# Altium PCB SMAQ_PCB_Design.PcbDoc
Units mm, origin at the board's own origin, x right, y up, seen from the top; angles counter-clockwise.
Board outline 78.27 x 54.88 mm, 2 copper layers (Top Layer, Bottom Layer); 49 components, 32 nets, 190 pads, 51 vias.
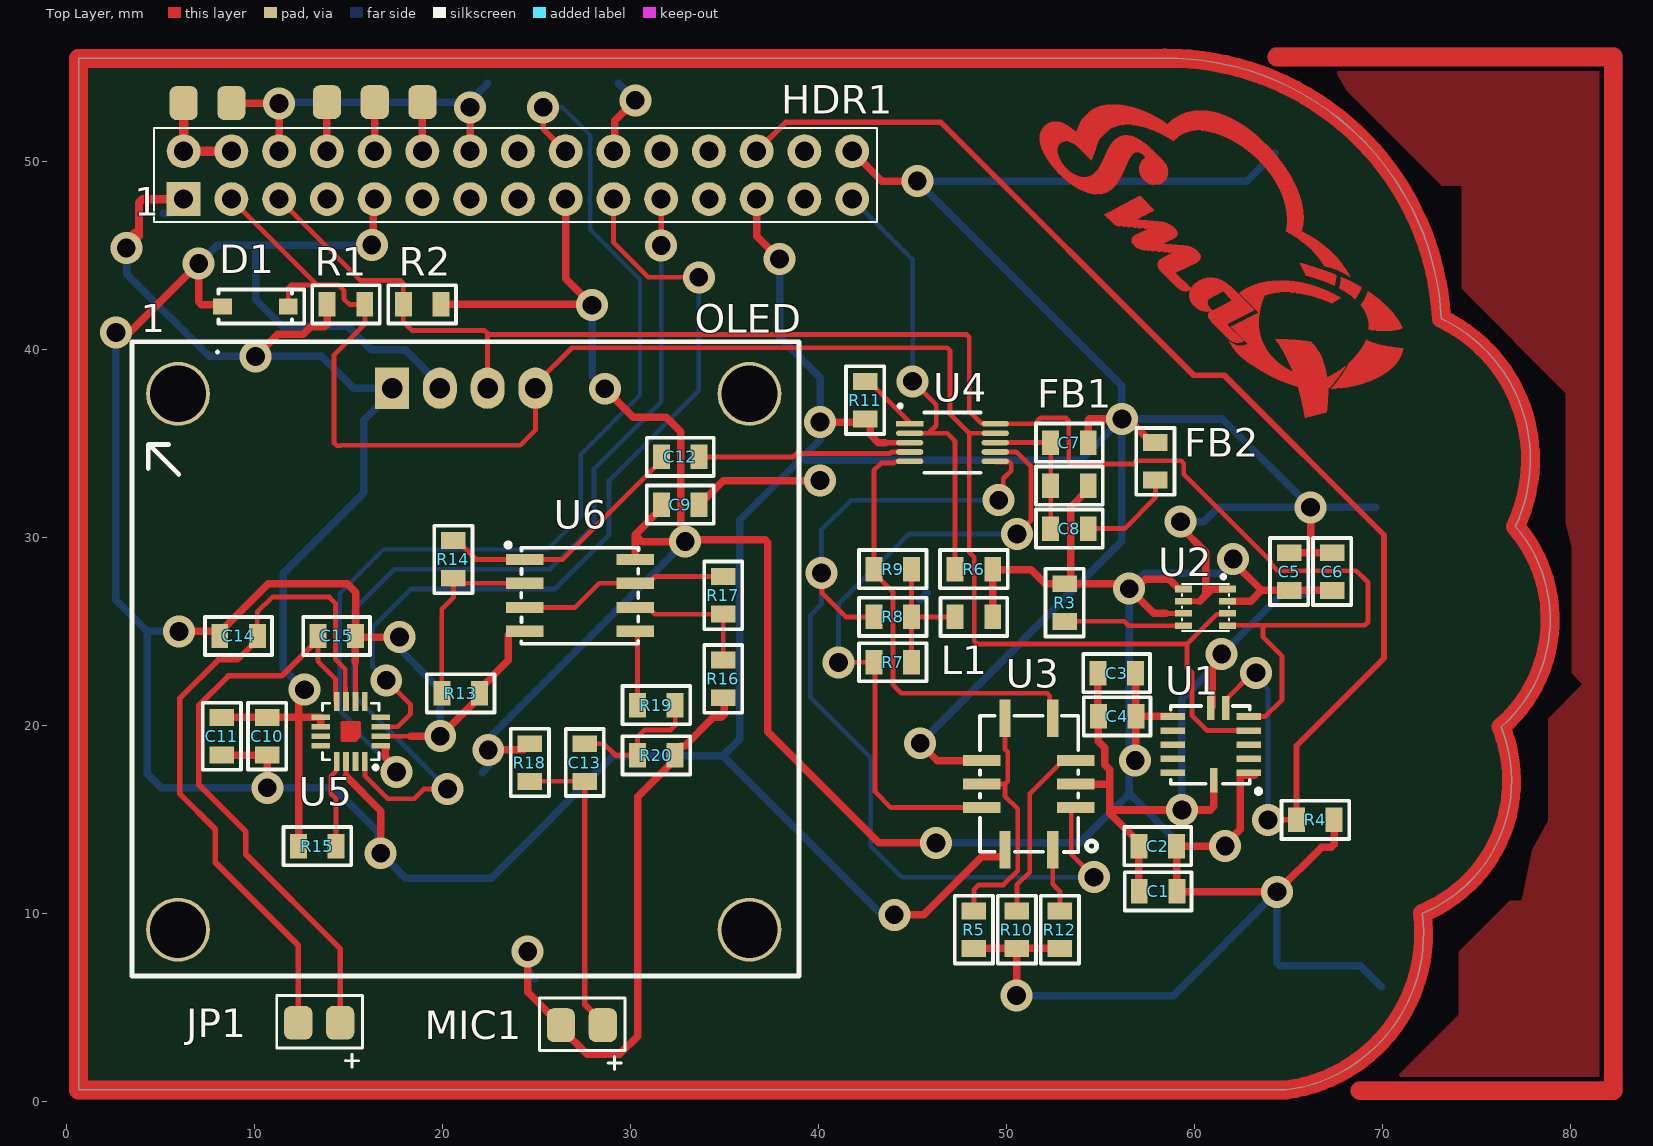
[diagram p0: Top Layer view]
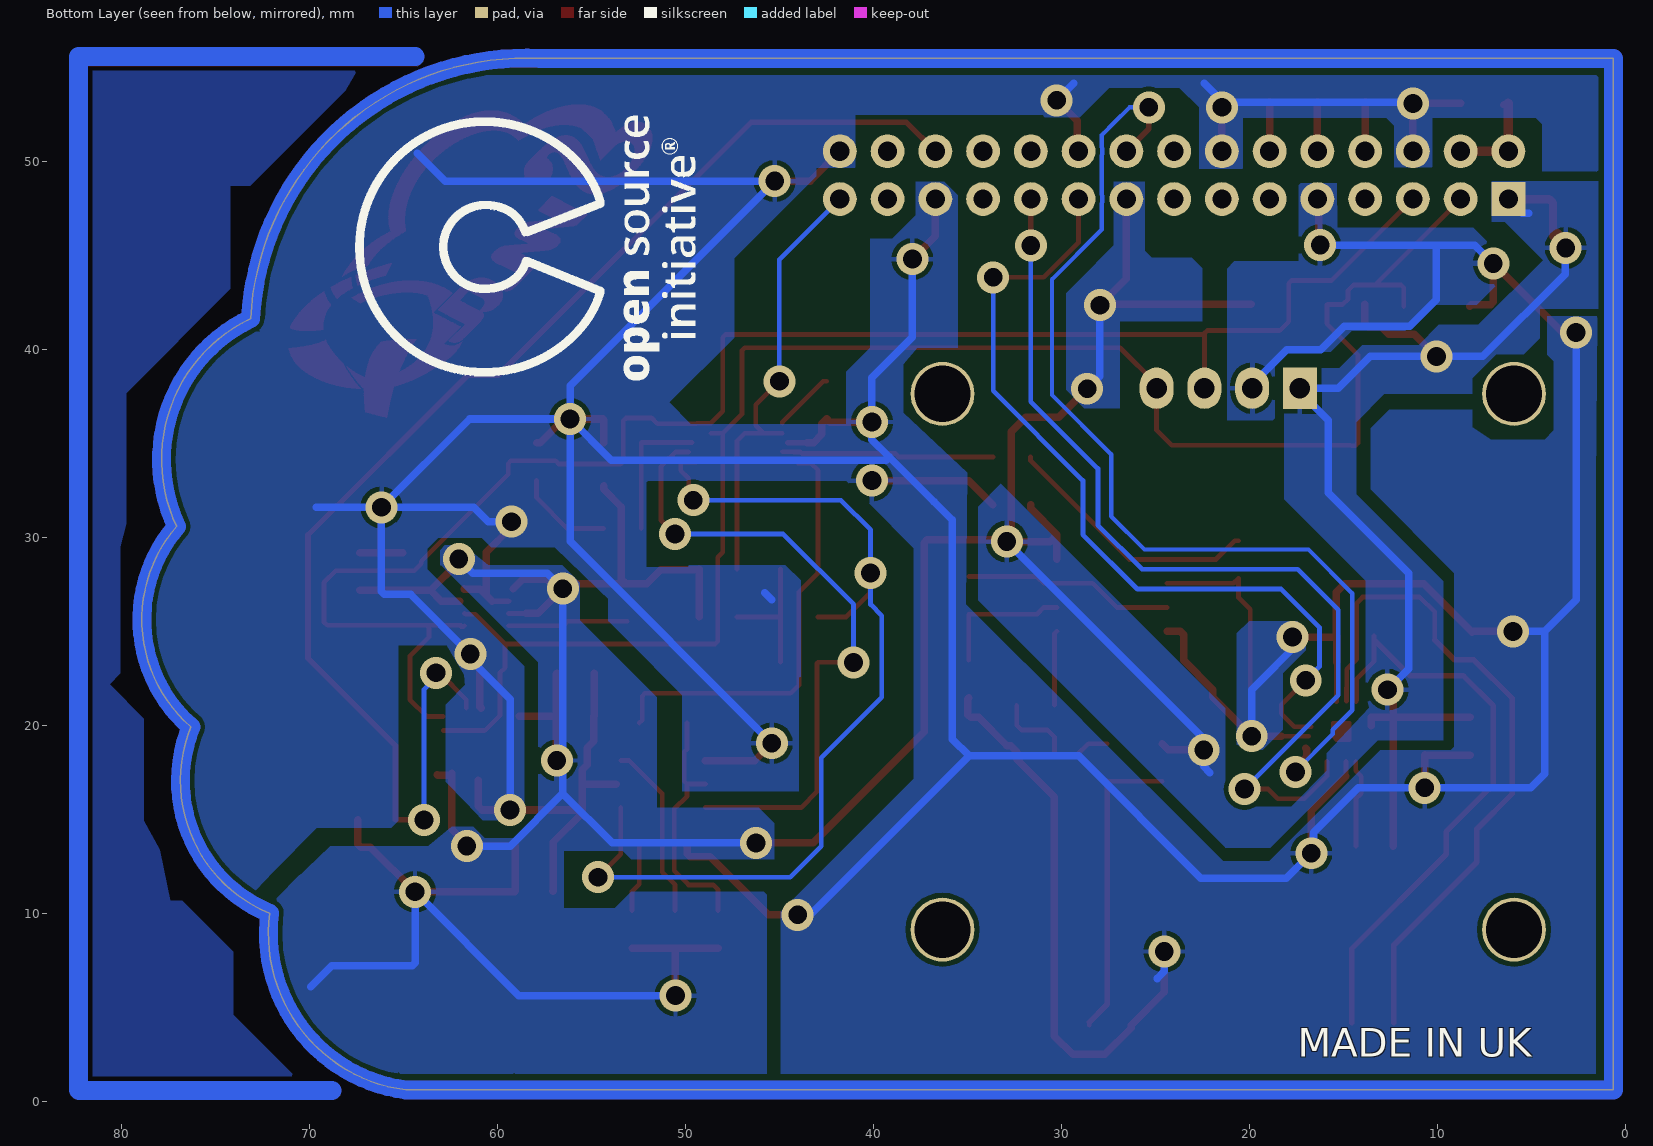
[diagram p1: Bottom Layer view, seen from below]
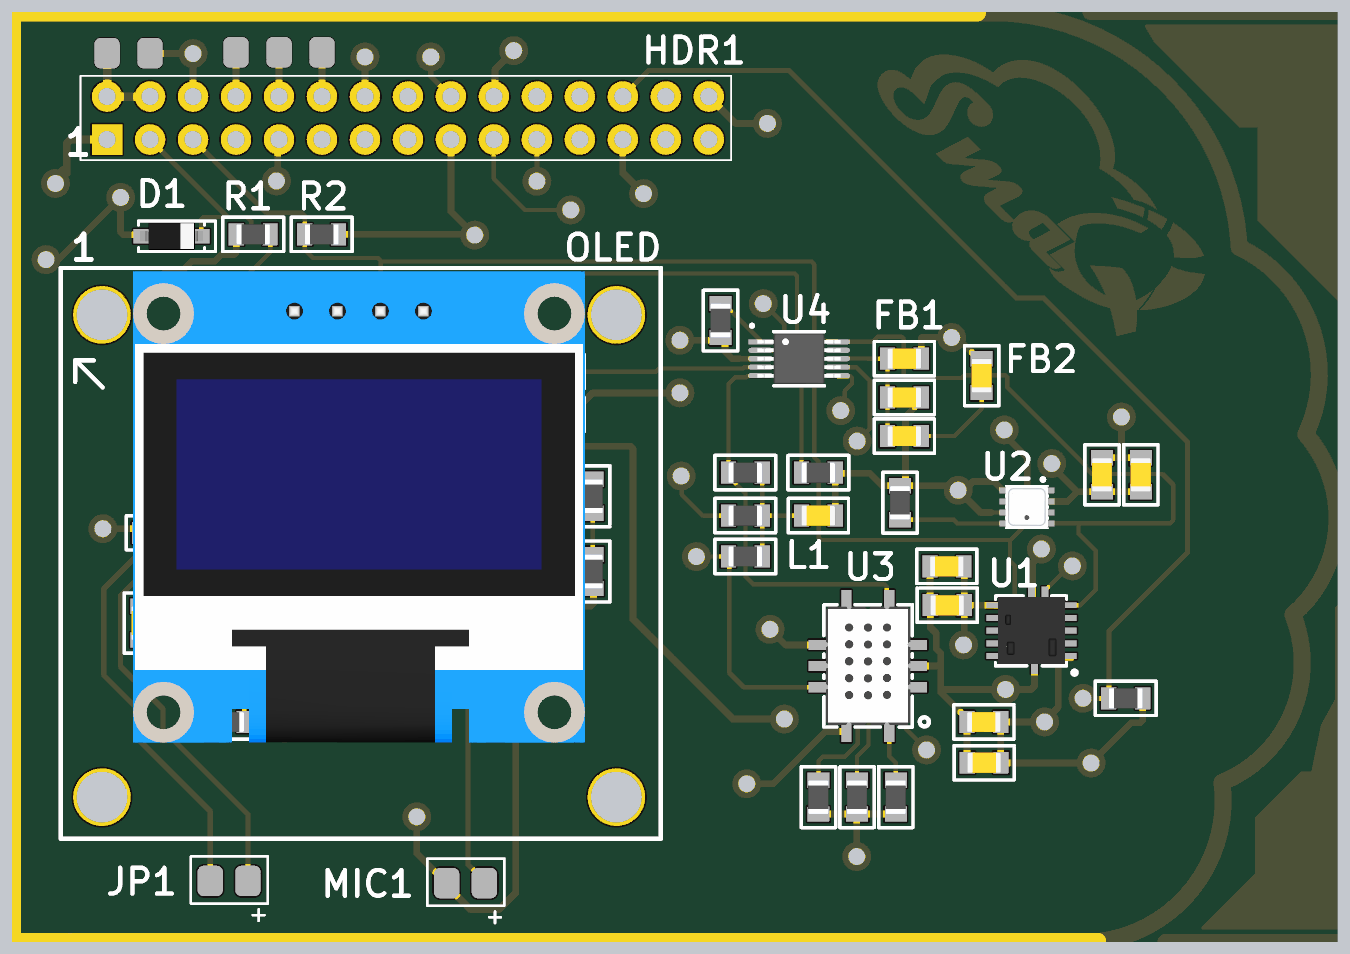
[diagram p2: 3D render of the assembled board from above, using the file's embedded part models]

## Layer stack, top to bottom
Top Solder: solder mask 0.0102, Solder Resist, Dk 3.5
Top Layer: signal copper 0.0356
Dielectric 1: dielectric 0.32, FR-4, Dk 4.8
Bottom Layer: signal copper 0.0356
Bottom Solder: solder mask 0.0102, Solder Resist, Dk 3.5

## Board outline
0.635,0.635 0.635,55.499 57.758,55.499 cw(c58.52,40.894) 73.125,41.656 cw(c69.569,34.163) 77.062,30.607 cw(c71.347,25.654) 76.3,19.939 cw(c69.251,17.081) 72.109,10.033 cw(c63.79,8.954) 64.87,0.635

## Design rules (kind name [scope] priority, off if disabled: settings)
Clearance [All] p1: gap=0.254 ignorepadtopadclearanceinfootprint=FALSE except(0: Arc-Hole Track-Hole SMDPad-Hole THPad-Hole Via-Hole Fill-Hole Poly-Hole Region-Hole Text-Hole; 0.2: Arc-SMDPad Track-SMDPad SMDPad-SMDPad)
PolygonConnect [All] p1: connectstyle=Relief reliefconductorwidth=0.254 reliefentries=4 polygonreliefangle="90 Angle" airgapwidth=0.254
RoutingVias [All] p1: holewidth=0.711 width=1.27 viastyle="Through Hole" minholewidth=0.711 minwidth=1.27 maxholewidth=0.711 maxwidth=1.27
SolderMaskExpansion [All] p1: expansion=0.102 istentingtop=FALSE
Width [All] p1: maxlimit=1 minlimit=0.2 preferedwidth=0.254 minimp=50.000000 maximp=50.000000 favimp=50.000000
30 further rules are at their usual default settings.

## Components (designator, comment, footprint, x,y, rotation, side; value= is the part's Value field where it differs from the comment)
C1 "22uF" C0805 58.055,11.192 r0 top
C2 "0.1uF / 50V" C0805 58.039,13.605 r0 top
C3 "10uF 16V" C0805 55.85,22.8 r0 top
C4 "0.1uF / 50V" C0805 55.875,20.5 r180 top
C5 "0.1uF / 50V" C0805 65.024,28.21 r270 top
C6 "0.1uF / 50V" C0805 67.31,28.21 r270 top
C7 "0.1uF / 50V" C0805 53.34,35.068 r180 top
C8 "1uF / 50V" C0805 53.34,30.496 r180 top
C9 "0.1uF / 50V" C0805 32.639,31.766 r0 top
C10 "0.1uF / 50V" C0805 10.668,19.451 r90 top
C11 "10uF 16V" C0805 8.255,19.447 r90 top
C12 "0.22uF" C0805 32.639,34.306 r0 top
C13 "1uF / 50V" C0805 27.559,18.05 r90 top
C14 "220pF" C0805 9.144,24.781 r0 top
C15 "220pF" C0805 14.363,24.781 r180 top
D1 "3.6V 0.5W" SOD-123 10.033,42.307 r0 top
FB1 "Ferrite Bead 1.5k 500mA" C0805 53.34,32.782 r0 top
FB2 "Ferrite Bead 1.5k 500mA" C0805 57.912,34.068 r90 top
HDR1 "2x20 GPIO F HDR" 2X20_PI_HEADER 30.353,49.292 r90 top
JP1 "Speaker Jumper" "SPEAKER JUMPER" 14.549,4.207 r0 top
L1 "1uH 800mA" C0805 48.26,25.797 r180 top
MIC1 "3.0 Vdc" "SPEAKER JUMPER" 28.519,4.08 r0 top
OLED "I2C OLED Screen" "OLED_I2C_0.96\"" 5.922,37.66 r0 top locked
R1 "2.74k" "R0805 (2012M)" 14.859,42.418 r180 top
R2 "2.74k" "R0805 (2012M)" 18.907,42.418 r0 top
R3 "10k 1%" "R0805 (2012M)" 53.086,26.559 r90 top
R4 "10k 1%" "R0805 (2012M)" 66.421,15.002 r0 top
R5 "536R" "R0805 (2012M)" 48.26,9.16 r90 top
R6 "10k 1%" "R0805 (2012M)" 48.26,28.337 r0 top
R7 "56k" "R0805 (2012M)" 43.942,23.384 r0 top
R8 "56k" "R0805 (2012M)" 43.942,25.797 r0 top
R9 "56k" "R0805 (2012M)" 43.942,28.337 r0 top
R10 "16R9" "R0805 (2012M)" 50.546,9.16 r270 top
R11 "10k 1%" "R0805 (2012M)" 42.475,37.325 r90 top
R12 "84R5" "R0805 (2012M)" 52.832,9.16 r270 top
R13 "1k" "R0805 (2012M)" 20.955,21.733 r180 top
R14 "10k 1%" "R0805 (2012M)" 20.574,28.85 r90 top
R15 "0 Ohm" "R0805 (2012M)" 13.335,13.605 r180 top
R16 "1k" "R0805 (2012M)" 34.925,22.495 r90 top
R17 "10k 1%" "R0805 (2012M)" 34.925,26.94 r270 top
R18 "10k 1%" "R0805 (2012M)" 24.638,18.05 r90 top
R19 "100k" "R0805 (2012M)" 31.369,21.098 r0 top
R20 "100k" "R0805 (2012M)" 31.369,18.431 r180 top
U1 "VCNL-4010" VCNL-4010 60.855,19 r90 top
U2 "BME-280" LGA_8P_0.65MM 60.579,26.305 r0 top
U3 "MICS-6814" MICS-10 51.181,16.907 r0 top
U4 "ADS1115 16Bit" VSSOP-10 47.117,35.068 r0 top
U5 "CLASS D AMP" 16LTHINQFN 15.113,19.701 r0 top
U6 "LM358" SOIC-8 27.305,26.94 r0 top

## Footprints (in the part's own frame and the unit in brackets; to place one, negate y for a bottom-side part, rotate by r counter-clockwise, add the part's x,y. Pads: shape width x height; smd on the part's side, far side on the other; paste and mask are expansions set on the pad)
2X20_PI_HEADER [mm]
  rect 1.8x1.8 hole 1.02: 1(-1.27,24.13)
  round 1.8 hole 1.02: 2(1.27,24.13) 3(-1.27,21.59) 4(1.27,21.59) 5(-1.27,19.05) 6(1.27,19.05) 7(-1.27,16.51) 8(1.27,16.51) 9(-1.27,13.97) 10(1.27,13.97) 11(-1.27,11.43) 12(1.27,11.43) 13(-1.27,8.89) 14(1.27,8.89) 15(-1.27,6.35) 16(1.27,6.35) 17(-1.27,3.81) 18(1.27,3.81) 19(-1.27,1.27) 20(1.27,1.27) 21(-1.27,-1.27) 22(1.27,-1.27) 23(-1.27,-3.81) 24(1.27,-3.81) 25(-1.27,-6.35) 26(1.27,-6.35) 27(-1.27,-8.89) 28(1.27,-8.89) 29(-1.27,-11.43) 30(1.27,-11.43)
  silkscreen extent -2.5,-12.76 2.5,25.7, body extent -2.5,-13.02 2.5,25.38, height 6.55
16LTHINQFN [mm]
  rect 0.3x1 smd mask+0.02: 1(0.75,-1.6) 2(0.25,-1.6) 3(-0.25,-1.6) 4(-0.75,-1.6) 9(-0.75,1.6) 10(-0.25,1.6) 11(0.25,1.6) 12(0.75,1.6)
  rect 1x0.3 smd mask+0.02: 5(-1.6,-0.75) 6(-1.6,-0.25) 7(-1.6,0.25) 8(-1.6,0.75) 13(1.6,0.75) 14(1.6,0.25) 15(1.6,-0.25) 16(1.6,-0.75)
  Top Layer region: -0.38,-0.4 0.37,-0.4 0.37,0.39 -0.38,0.39
  Top Layer lines w0.2: -0.45,-0.45 -0.45,-0.45 ; -0.45,-0.45 -0.45,0.45 0.45,0.45 0.45,-0.25 0.25,-0.45 -0.45,-0.45
  silkscreen extent -1.5,-1.99 1.5,1.5, body extent -1.5,-1.5 1.5,1.5, height 0.81
C0805 [mm]
  rect 0.9x1.3 smd: 1(-1,0) 2(1,0)
  silkscreen extent -1.78,-1.02 1.78,1.02, body extent -1,-0.6 1,0.6, height 0.95
LGA_8P_0.65MM [mm]
  rect 0.9x0.35 smd mask+0.015: 1(1.175,0.975) 2(1.175,0.325) 3(1.175,-0.325) 4(1.175,-0.975) 5(-1.175,-0.975) 6(-1.175,-0.325) 7(-1.175,0.325) 8(-1.175,0.975)
  silkscreen extent -1.25,-1.25 1.25,1.7, body extent -1.25,-1.25 1.25,1.25, height 0.94
MICS-10 [mm]
  rect 2x0.6 smd: 1(2.5,-1.25) 2(2.5,0) 3(2.5,1.25) 6(-2.5,1.25) 7(-2.5,0) 8(-2.5,-1.25)
  rect 0.6x2 smd: 4(1.27,3.5) 5(-1.27,3.5) 9(-1.27,-3.5) 10(1.27,-3.5)
  silkscreen extent -2.6,-3.61 3.61,3.63, body extent -2.49,-3.48 2.51,3.52, height 1.6
"OLED_I2C_0.96\"" [mm]
  rect 1.8x2.2 hole 1.1: 1(11.39,0.3)
  oval 1.8x2.2 hole 1.1: 2(13.93,0.3) 3(16.47,0.3) 4(19.01,0.3)
  round 3.4 hole 3 unplated: 5(0,-28.5) 5(0,0) 5(30.4,-28.5) 5(30.4,0)
  silkscreen extent -2.44,-30.96 33.03,2.77, body extent 1.84,-25.28 28.54,2.58, height 10.02
"R0805 (2012M)" [mm]
  rect 0.9x1.3 smd: 1(-1,0) 2(1,0)
  silkscreen extent -1.8,-1.02 1.8,1.02, body extent -1,-0.6 1,0.6, height 0.71
SOD-123 [mm]
  rect 1x0.85 smd: 1(-1.75,0) 2(1.75,0)
  silkscreen extent -1.95,-0.9 2.6,0.9, body extent -1.85,-0.8 1.85,0.8, height 1.28
SOIC-8 [mm]
  rect 2x0.6 smd mask+0.07: 1(-2.93,1.91) 2(-2.93,0.64) 3(-2.93,-0.64) 4(-2.93,-1.91) 5(2.93,-1.91) 6(2.93,-0.64) 7(2.93,0.64) 8(2.93,1.91)
  silkscreen extent -3.93,-2.57 3.11,2.79, body extent -3,-2.45 3,2.45, height 1.7
"SPEAKER JUMPER" [mm]
  rrect50% 1.5x1.8 smd: 1(0,0) 2(-2.23,0)
  silkscreen extent -3.37,-2.37 1.18,1.45
VCNL-4010 [mm]
  rect 0.35x1.3 smd: 1(-1.5,-2.02) 2(-0.75,-2.02) 4(0.75,-2.02) 5(1.5,-2.02) 7(1.5,2.02) 8(0,-2.02) 8(0.75,2.02) 9(0,2.02) 10(-0.75,2.02) 11(-1.5,2.02)
  rect 1.3x0.4 smd: 6(1.95,-0.8) 12(1.95,0) 13(-1.9,-0.17)
  silkscreen extent -2.6,-2.66 2.05,2.13, body extent -1.97,-1.97 1.98,1.98, height 0.96
VSSOP-10 [mm]
  rect 1.45x0.3 smd mask+0.02: 1(-2.275,1)
  oval 1.45x0.3 smd mask+0.02: 2(-2.275,0.5) 3(-2.275,0) 4(-2.275,-0.5) 5(-2.275,-1) 6(2.275,-1) 7(2.275,-0.5) 8(2.275,0) 9(2.275,0.5) 10(2.275,1)
  silkscreen extent -2.84,-1.6 1.5,2.01, body extent -2.46,-1.5 2.46,1.5, height 1.1

## Part data
C1: library part C2012JB1A226M085AC, "CAP CER 22UF 10V JB 0805", Case Code (Imperial)=0805, Case Code (Metric)=2012, Dielectric Material=Ceramic, Manufacturer 1=TDK, Max Operating Temperature=85°C, Min Operating Temperature=-25°C, Package Quantity=1, Supplier Part Number 1=810-C2012JB1A226M08C, Tolerance=20%, Voltage Rating=10V, Capacitance=22uF, Case/Package=0805, Category 1="Ceramic Capacitors", ComponentLink1Description=https://datasheet.ciiva.com/14908/tdkmlcccaprange-14908199.pdf?src-supplier=Digi-Key, ComponentLink1URL=https://datasheet.ciiva.com/14908/tdkmlcccaprange-14908199.pdf?src-supplier=Digi-Key, ComponentLink2Description=https://datasheet.ciiva.com/14908/tdkmlcccaprange-14908201.pdf?src-supplier=Digi-Key, ComponentLink2URL=https://datasheet.ciiva.com/14908/tdkmlcccaprange-14908201.pdf?src-supplier=Digi-Key, Composition=Ceramic, Description 1="CAP CER 22UF 10V JB 0805", Height=0.85mm, Lead Free="Lead Free", Length=0.079inch, Manufacturer Part Number 1=C2012JB1A226M085AC, Mount="Surface Mount", Packaging="Tape and Reel", RoHS=Yes, Stock 1=10381, Supplier 1=Mouser, Termination=SMD/SMT, Thickness=0.039inch, Voltage Rating (DC)=10V, Width=1.2mm
C2 C4 C5 C6 C7 C9 C10: library part 08055C104JAT4A, "CAP CER 0.1UF 50V X7R 0805", Capacitance=100nF, Case Code (Imperial)=0805, Case Code (Metric)=2012, Dielectric=X7R, Manufacturer 1="Kyocera AVX", Max Operating Temperature=125°C, Min Operating Temperature=-55°C, Package Quantity=10000, Supplier Part Number 1=581-08055C104JAT4A, Tolerance=5%, Voltage Rating=50V, Case/Package=0805, Category 1="Ceramic Capacitors", ComponentLink1Description=https://datasheet.ciiva.com/16326/cx7r-16326437.pdf?src-supplier=Future+Electronics, ComponentLink1URL=https://datasheet.ciiva.com/16326/cx7r-16326437.pdf?src-supplier=Future+Electronics, ComponentLink2Description=https://datasheet.ciiva.com/6277/cx7r-6277722.pdf?src-supplier=Digi-Key, ComponentLink2URL=https://datasheet.ciiva.com/6277/cx7r-6277722.pdf?src-supplier=Digi-Key, Depth=1.25mm, Description 1="CAP CER 0.1UF 50V X7R 0805", Lead Free="Lead Free", Length=2.01mm, Manufacturer Part Number 1=08055C104JAT4A, Mount="Surface Mount", Number of Pins=2, Packaging="Tape and Reel", Radiation Hardening=No, RoHS=Yes, Stock 1=70357, Supplier 1=Mouser, Termination=SMD/SMT, Thickness=0.037inch, Voltage Rating (DC)=50V, Width=0.049inch
C3 C11: library part 0805YC106MAT2A, Manufacturer 1="Kyocera AVX", Supplier Part Number 1=581-0805YC106MAT2A, Manufacturer Part Number 1=0805YC106MAT2A, RoHS=No, Stock 1=1756, Supplier 1=Mouser
C8 C13: library part 08055C105JAT2A, Dielectric=X7R, Manufacturer 1="Kyocera AVX", Supplier Part Number 1=581-08055C105JAT2A, Tolerance=5%, Voltage=50V, Category 1=Capacitors, Manufacturer Part Number 1=08055C105JAT2A, RoHS=No, Stock 1=5621, Supplier 1=Mouser
C12: library part 08053C224J4Z2A, "Multilayer Ceramic Capacitors MLCC - SMD/SMT 25V 0.22uF X7R 0805 5% AEC-Q200", Manufacturer 1="Kyocera AVX", Supplier Part Number 1=581-08053C224J4Z2A, Manufacturer Part Number 1=08053C224J4Z2A, RoHS=No, Stock 1=37375, Supplier 1=Mouser
C14 C15: library part 08055A221F4T2A, "T&R / COMMERCIAL CHIP", Case/Package=0805, Dielectric=C0G, Manufacturer 1="Kyocera AVX", Supplier Part Number 1=581-08055A221F4T2A, Tolerance=1%, Voltage Rating (DC)=50V, Capacitance=220pF, Category 1="Ceramic Capacitors", Description 1="T&R / COMMERCIAL CHIP", Manufacturer Part Number 1=08055A221F4T2A, RoHS=No, Stock 1=6955, Supplier 1=Mouser
D1: library part BZT52B3V6-E3-08, "Diode Zener Single 3.6V 2% 500mW 2-Pin SOD-123 T/R", Case/Package=SOD-123-2, Manufacturer 1=Vishay, Max Operating Temperature=150°C, Max Power Dissipation=410mW, Max Reverse Leakage Current=100nA, Min Operating Temperature=-55°C, Package Quantity=3000, Power Dissipation=500mW, Supplier Part Number 1=78-BZT52B3V6-E3-08, Tolerance=2%, Zener Current=100mA, Zener Voltage=3.6V, Category 1="Zener Diodes", ComponentLink1Description=https://datasheet.ciiva.com/24095/bzt52-106265-24095710.pdf?src-supplier=Mouser, ComponentLink1URL=https://datasheet.ciiva.com/24095/bzt52-106265-24095710.pdf?src-supplier=Mouser, Description 1="Diode Zener Single 3.6V 2% 500mW 2-Pin SOD-123 T/R", Element Configuration=Single, Impedance=80R, Manufacturer Part Number 1=BZT52B3V6-E3-08, Mount="Surface Mount", Number of Pins=2, Packaging="Tape and Reel", RoHS=Yes, Stock 1=29413, Supplier 1=Mouser, Voltage Tolerance=2%, Weight=0.000363oz
FB1 FB2: library part MMZ2012Y152B, "Ferrite Beads Multi-Layer 1.5KOhm 25% 100MHz 500mA 400mOhm DCR 0805", Case Code (Imperial)=0805, Case Code (Metric)=2012, Current Rating=500mA, DC Resistance (DCR)=400mR, Frequency=100MHz, Manufacturer 1=TDK, Max Operating Temperature=125°C, Min Operating Temperature=-55°C, Package Quantity=4000, Supplier Part Number 1=1301674, Tolerance=25%, Case/Package=0805, Category 1=Inductors, ComponentLink1Description=https://datasheet.ciiva.com/11800/0900766b8082f891-11800917.pdf?src-supplier=RSComponents, ComponentLink1URL=https://datasheet.ciiva.com/11800/0900766b8082f891-11800917.pdf?src-supplier=RSComponents, ComponentLink2Description=https://datasheet.ciiva.com/34302/1868995-34302918.pdf?src-supplier=Jameco, ComponentLink2URL=https://datasheet.ciiva.com/34302/1868995-34302918.pdf?src-supplier=Jameco, ComponentLink3Description=https://datasheet.ciiva.com/15160/getdatasheetpartid-77343-15160260.pdf?src-supplier=Verical, ComponentLink3URL=https://datasheet.ciiva.com/15160/getdatasheetpartid-77343-15160260.pdf?src-supplier=Verical, ComponentLink4Description=https://datasheet.ciiva.com/16001/e9412-mmz2012-16001336.pdf?src-supplier=Onlinecomponents.com, ComponentLink4URL=https://datasheet.ciiva.com/16001/e9412-mmz2012-16001336.pdf?src-supplier=Onlinecomponents.com, Core Material=Ferrite, DC Current=500mA, Depth=1.25mm, Description 1="Ferrite Beads Multi-Layer 1.5KOhm 25% 100MHz 500mA 400mOhm DCR 0805", Height=0.85mm, Impedance=1.5kR, Lead Free="Lead Free", Length=2mm, Manufacturer Part Number 1=MMZ2012Y152B, Material=Ferrite, Max DC Current=500mA, Military Standard=Not, Number of Pins=2, Packaging="Tape and Reel", Pricing 1="10=0.05740, 100=0.03680, 500=0.02670, 1000=0.02100, 2000=0.01900, 4000=0.01700, 20000=0.01600 (GBP)", Radiation Hardening=No, REACH SVHC="No SVHC", RoHS=Yes, Shielding=Unshielded, Supplier 1=Farnell, Termination=SMD/SMT, Test Frequency=100MHz, Width=1.25mm
HDR1: library part "2X20 Female Header", "GPIO FEMALE HEADER RASPBERRY PI", Manufacturer 1="Adafruit Industries", Manufacturer Part Number 1=2222, Supplier Part Number 1=485-2222, ComponentLink1Description=https://cdn-shop.adafruit.com/product-files/2222/00587.pdf?src-supplier=Digi-Key, ComponentLink1URL=https://cdn-shop.adafruit.com/product-files/2222/00587.pdf?src-supplier=Digi-Key, Description 1="GPIO FEMALE HEADER RASPBERRY PI", RoHS=No, Stock 1=1767, Supplier 1=Mouser
L1: library part KLZ2012MHR1R0HTD25, "FIXED IND 1UH 800MA 130 MOHM SMD", Manufacturer 1=TDK, Supplier Part Number 1=810-KLZ2012MHR1R0HTD, ComponentLink1Description=https://product.tdk.com/info/en/catalog/datasheets/inductor_automotive_decoupling_klz2012-hr_en.pdf?src-supplier=Digi-Key, ComponentLink1URL=https://product.tdk.com/info/en/catalog/datasheets/inductor_automotive_decoupling_klz2012-hr_en.pdf?src-supplier=Digi-Key, Description 1="FIXED IND 1UH 800MA 130 MOHM SMD", Manufacturer Part Number 1=KLZ2012MHR1R0HTD25, RoHS=No, Stock 1=3633, Supplier 1=Mouser
MIC1: library part CMC-4015-25L100, "4.0 mm, Omnidirectional, Wire Leads, 3.0 Vdc, IP65 Rated, Electret Condenser Microphone", Manufacturer 1="CUI Devices", Supplier Part Number 1=490-CMC-4015-25L100, ComponentLink1Description=http://datasheet.octopart.com/CMC-4015-25L100-CUI-Devices-datasheet-137937391.pdf?src-supplier=CUI+Devices, ComponentLink1URL=http://datasheet.octopart.com/CMC-4015-25L100-CUI-Devices-datasheet-137937391.pdf?src-supplier=CUI+Devices, Description 1="4.0 mm, Omnidirectional, Wire Leads, 3.0 Vdc, IP65 Rated, Electret Condenser Microphone", Manufacturer Part Number 1=CMC-4015-25L100, Stock 1=486, Supplier 1=Mouser
OLED: library part OLED_I2C_BREAKOUT
R1 R2: library part ERA-6AEB2741V, "Surface Mount Chip Resistor, Thin Film, AEC-Q200 ERA Series, 2.74 kohm, 125 mW, 0.1%, 100 V", Case Code (Imperial)=0805, Case Code (Metric)=2012, Manufacturer 1=Panasonic, Max Operating Temperature=155°C, Max Power Dissipation=125mW, Min Operating Temperature=-55°C, Package Quantity=1, Resistance=2.74kR, Supplier Part Number 1=1810978, Temperature Coefficient=25ppm/°C, Tolerance=0.1%, Voltage Rating=100V, Case/Package=0805, Category 1="Chip SMD Resistors", ComponentLink1Description=https://datasheet.ciiva.com/11812/0900766b80eb1d8c-11812023.pdf?src-supplier=RSComponents, ComponentLink1URL=https://datasheet.ciiva.com/11812/0900766b80eb1d8c-11812023.pdf?src-supplier=RSComponents, ComponentLink2Description=https://datasheet.ciiva.com/41450/001181270-da-01-en-widerstand-era-0805-2k74-0-1-5000st-41450431.pdf?src-supplier=Conrad, ComponentLink2URL=https://datasheet.ciiva.com/41450/001181270-da-01-en-widerstand-era-0805-2k74-0-1-5000st-41450431.pdf?src-supplier=Conrad, ComponentLink3Description=https://datasheet.ciiva.com/24025/aoa0000ce26-197354-24025606.pdf?src-supplier=Mouser, ComponentLink3URL=https://datasheet.ciiva.com/24025/aoa0000ce26-197354-24025606.pdf?src-supplier=Mouser, ComponentLink4Description=https://datasheet.ciiva.com/7763/485442-7763559.pdf?src-supplier=Element14, ComponentLink4URL=https://datasheet.ciiva.com/7763/485442-7763559.pdf?src-supplier=Element14, ComponentLink5Description=https://datasheet.ciiva.com/7763/485442-7763560.pdf?src-supplier=Element14, ComponentLink5URL=https://datasheet.ciiva.com/7763/485442-7763560.pdf?src-supplier=Element14, ComponentLink6Description=https://datasheet.ciiva.com/6129/485442-6129482.pdf?src-supplier=Farnell, ComponentLink6URL=https://datasheet.ciiva.com/6129/485442-6129482.pdf?src-supplier=Farnell, ComponentLink7Description=https://datasheet.ciiva.com/6129/485442-6129483.pdf?src-supplier=Farnell, ComponentLink7URL=https://datasheet.ciiva.com/6129/485442-6129483.pdf?src-supplier=Farnell, ComponentLink8Description=https://datasheet.ciiva.com/6129/485442-6129478.pdf?src-supplier=Farnell, ComponentLink8URL=https://datasheet.ciiva.com/6129/485442-6129478.pdf?src-supplier=Farnell, ComponentLink9Description=https://datasheet.ciiva.com/9196/aoa0000ce26-9196845.pdf?src-supplier=Avnet, ComponentLink9URL=https://datasheet.ciiva.com/9196/aoa0000ce26-9196845.pdf?src-supplier=Avnet, Composition="Metal Film,Thin Film", Contact Plating=Tin, Depth=1.25mm, Description 1="Surface Mount Chip Resistor, Thin Film, AEC-Q200 ERA Series, 2.74 kohm, 125 mW, 0.1%, 100 V", Features="Automotive AEC-Q200", Height=0.5mm, Lead Free="Lead Free", Length=2mm, Manufacturer Part Number 1=ERA-6AEB2741V, Military Standard=Not, Mount="Surface Mount", Number of Pins=2, Number of Terminations=2, Packaging="Tape and Reel", Power Rating=125mW, Pricing 1="5000=0.02100 (GBP)", Radiation Hardening=No, RoHS=Yes, Stock 1=20000, Supplier 1=Farnell, Termination=Solder, Voltage Rating (DC)=100V, Width=1.25mm
R3 R4 R6 R11 R14 R17 R18: library part AT0805FRE0710KL, "RES SMD 10K OHM 1% 1/8W 0805", Case Code (Imperial)=0805, Case Code (Metric)=2012, Manufacturer 1=Yageo, Max Operating Temperature=155°C, Max Power Dissipation=125mW, Min Operating Temperature=-55°C, Resistance=10kR, Supplier Part Number 1=603-AT0805FRE0710KL, Temperature Coefficient=50ppm/°C, Tolerance=1%, Case/Package=0805, Category 1="Chip SMD Resistors", ComponentLink1Description=http://www.yageo.com/documents/recent/PYu-AT_51_RoHS_L_5.pdf?src-supplier=Digi-Key, ComponentLink1URL=http://www.yageo.com/documents/recent/PYu-AT_51_RoHS_L_5.pdf?src-supplier=Digi-Key, ComponentLink2Description=http://www.yageo.com/documents/recent/PYu-AT_51_RoHS_L-3.pdf?src-supplier=Digi-Key, ComponentLink2URL=http://www.yageo.com/documents/recent/PYu-AT_51_RoHS_L-3.pdf?src-supplier=Digi-Key, Composition="Thin Film", Description 1="RES SMD 10K OHM 1% 1/8W 0805", Features="Moisture Resistant,Automotive AEC-Q200,Anti-Sulfur", Height=0.024inch, Length=0.079inch, Manufacturer Part Number 1=AT0805FRE0710KL, Number of Terminations=2, Packaging="Tape and Reel", RoHS=Yes, Stock 1=12821, Supplier 1=Mouser, Width=0.049inch
R5: library part ERA6AEB5360V, "RES SMD 536 OHM 0.1% 1/8W 0805", Case Code (Imperial)=0805, Case Code (Metric)=2012, Manufacturer 1=Panasonic, Max Operating Temperature=155°C, Max Power Dissipation=125mW, Min Operating Temperature=-55°C, Package Quantity=1, Supplier Part Number 1=667-ERA-6AEB5360V, Temperature Coefficient=25ppm/°C, Tolerance=0.1%, Voltage Rating=100V, Case/Package=0805, Category 1="Chip SMD Resistors", ComponentLink1Description=https://datasheet.ciiva.com/11810/0900766b80eb1d8c-11810459.pdf?src-supplier=RSComponents, ComponentLink1URL=https://datasheet.ciiva.com/11810/0900766b80eb1d8c-11810459.pdf?src-supplier=RSComponents, ComponentLink2Description=https://datasheet.ciiva.com/41450/001181222-da-01-en-widerstand-era-0805-536r-0-1-5000st-41450380.pdf?src-supplier=Conrad, ComponentLink2URL=https://datasheet.ciiva.com/41450/001181222-da-01-en-widerstand-era-0805-536r-0-1-5000st-41450380.pdf?src-supplier=Conrad, ComponentLink3Description=https://datasheet.ciiva.com/9181/aoa0000ce26-9181246.pdf?src-supplier=Avnet, ComponentLink3URL=https://datasheet.ciiva.com/9181/aoa0000ce26-9181246.pdf?src-supplier=Avnet, Composition="Thin Film,Metal Film", Contact Plating=Tin, Depth=1.25mm, Description 1="RES SMD 536 OHM 0.1% 1/8W 0805", Features="Automotive AEC-Q200", Height=0.5mm, Lead Free="Lead Free", Length=2mm, Manufacturer Part Number 1=ERA6AEB5360V, Military Standard=Not, Mount="Surface Mount", Number of Pins=2, Number of Terminations=2, Packaging="Tape and Reel", Power Rating=125mW, Radiation Hardening=No, REACH SVHC="No SVHC", Resistance=536R, RoHS=Yes, Stock 1=8172, Supplier 1=Mouser, Termination=SMD/SMT, Voltage Rating (DC)=100V, Width=1.25mm
R7 R8 R9: library part ERA-6AEB563V, "RES SMD 56K OHM 0.1% 1/8W 0805", Case Code (Imperial)=0805, Case Code (Metric)=2012, Manufacturer 1=Panasonic, Max Operating Temperature=155°C, Max Power Dissipation=125mW, Min Operating Temperature=-55°C, Package Quantity=1, Resistance=56kR, Supplier Part Number 1=667-ERA-6AEB563V, Temperature Coefficient=25ppm/°C, Tolerance=0.1%, Voltage Rating=100V, Case/Package=0805, Category 1="Chip SMD Resistors", ComponentLink1Description=https://datasheet.ciiva.com/11815/0900766b80beefcc-11815835.pdf?src-supplier=RSComponents, ComponentLink1URL=https://datasheet.ciiva.com/11815/0900766b80beefcc-11815835.pdf?src-supplier=RSComponents, ComponentLink2Description=https://datasheet.ciiva.com/26335/453572-da-01-en-widerstand-0805-era-26335719.pdf?src-supplier=Conrad, ComponentLink2URL=https://datasheet.ciiva.com/26335/453572-da-01-en-widerstand-0805-era-26335719.pdf?src-supplier=Conrad, ComponentLink3Description=https://datasheet.ciiva.com/6138/485442-6138597.pdf?src-supplier=Farnell, ComponentLink3URL=https://datasheet.ciiva.com/6138/485442-6138597.pdf?src-supplier=Farnell, ComponentLink4Description=https://datasheet.ciiva.com/48530/era-eng-tds-48530021.pdf?src-supplier=Distrelec, ComponentLink4URL=https://datasheet.ciiva.com/48530/era-eng-tds-48530021.pdf?src-supplier=Distrelec, ComponentLink5Description=https://datasheet.ciiva.com/6138/485442-6138602.pdf?src-supplier=Farnell, ComponentLink5URL=https://datasheet.ciiva.com/6138/485442-6138602.pdf?src-supplier=Farnell, ComponentLink6Description=https://datasheet.ciiva.com/7886/485442-7886650.pdf?src-supplier=Element14, ComponentLink6URL=https://datasheet.ciiva.com/7886/485442-7886650.pdf?src-supplier=Element14, ComponentLink7Description=https://datasheet.ciiva.com/7886/485442-7886651.pdf?src-supplier=Element14, ComponentLink7URL=https://datasheet.ciiva.com/7886/485442-7886651.pdf?src-supplier=Element14, ComponentLink8Description=https://datasheet.ciiva.com/30221/54aoa0000ce26-30221499.pdf?src-supplier=Onlinecomponents.com, ComponentLink8URL=https://datasheet.ciiva.com/30221/54aoa0000ce26-30221499.pdf?src-supplier=Onlinecomponents.com, ComponentLink9Description=https://datasheet.ciiva.com/6138/485442-6138604.pdf?src-supplier=Farnell, ComponentLink9URL=https://datasheet.ciiva.com/6138/485442-6138604.pdf?src-supplier=Farnell, ComponentLink10Description=https://datasheet.ciiva.com/7886/485442-7886652.pdf?src-supplier=Element14, ComponentLink10URL=https://datasheet.ciiva.com/7886/485442-7886652.pdf?src-supplier=Element14, ComponentLink11Description=https://datasheet.ciiva.com/17209/aoa0000ce26-17209230.pdf?src-supplier=Avnet+Europe, ComponentLink11URL=https://datasheet.ciiva.com/17209/aoa0000ce26-17209230.pdf?src-supplier=Avnet+Europe, Composition="Thin Film", Contact Plating=Tin, Depth=1.25mm, Description 1="RES SMD 56K OHM 0.1% 1/8W 0805", Features="Automotive AEC-Q200", Height=0.5mm, Lead Free="Lead Free", Length=2mm, Manufacturer Part Number 1=ERA-6AEB563V, Military Standard=Not, Mount="Surface Mount", Number of Pins=2, Number of Terminations=2, Packaging="Tape and Reel", Power Rating=125mW, Radiation Hardening=No, REACH SVHC="No SVHC", RoHS=Yes, Stock 1=14319, Supplier 1=Mouser, Termination=SMD/SMT, Voltage Rating (DC)=100V, Width=1.25mm
R10: library part ERJ-P06F17R4V, "Res Thick Film 0805 16.9 Ohm 1% 1/4W 300ppm/C Molded SMD Punched Carrier T/R", Case Code (Imperial)=0805, Case Code (Metric)=2012, Manufacturer 1=Panasonic, Max Operating Temperature=155°C, Min Operating Temperature=-55°C, Package Quantity=5000, Power Rating=500mW, Resistance=17.4R, Supplier Part Number 1=667-ERJ-P06D17R4V, Temperature Coefficient=300ppm/°C, Tolerance=1%, Voltage Rating=150V, Voltage Rating (DC)=400V, Case/Package=0805, Category 1="Chip SMD Resistors", ComponentLink1Description=https://datasheet.ciiva.com/24064/aoa0000ce4-64075-24064442.pdf?src-supplier=Mouser, ComponentLink1URL=https://datasheet.ciiva.com/24064/aoa0000ce4-64075-24064442.pdf?src-supplier=Mouser, ComponentLink2Description=https://datasheet.ciiva.com/22720/1801181-22720492.pdf?src-supplier=Element14, ComponentLink2URL=https://datasheet.ciiva.com/22720/1801181-22720492.pdf?src-supplier=Element14, Composition="Thick Film", Description 1="Res Thick Film 0805 17.4 Ohm 1% 1/4W 300ppm/C Molded SMD Punched Carrier T/R", Height=0.6mm, Length=2mm, Manufacturer Part Number 1=ERJ-P06F17R4V, Mount="Surface Mount", Packaging="Tape and Reel", REACH SVHC="No SVHC", RoHS=Yes, Supplier 1=Mouser, Termination=SMD/SMT, Width=1.2mm
R12: library part ERA-6AEB84R5V, "RES SMD 84.5 OHM 0.1% 1/8W 0805", Case Code (Imperial)=0805, Case Code (Metric)=2012, Manufacturer 1=Panasonic, Max Operating Temperature=155°C, Max Power Dissipation=125mW, Min Operating Temperature=-55°C, Package Quantity=1, Resistance=84.5R, Supplier Part Number 1=667-ERA-6AEB84R5V, Temperature Coefficient=25ppm/°C, Tolerance=0.1%, Voltage Rating=100V, Case/Package=0805, Category 1="Chip SMD Resistors", ComponentLink1Description=https://datasheet.ciiva.com/11815/0900766b80eb1d8c-11815865.pdf?src-supplier=RSComponents, ComponentLink1URL=https://datasheet.ciiva.com/11815/0900766b80eb1d8c-11815865.pdf?src-supplier=RSComponents, ComponentLink2Description=https://datasheet.ciiva.com/41450/001181159-da-01-en-widerstand-era-0805-84r5-0-1-5000st-41450316.pdf?src-supplier=Conrad, ComponentLink2URL=https://datasheet.ciiva.com/41450/001181159-da-01-en-widerstand-era-0805-84r5-0-1-5000st-41450316.pdf?src-supplier=Conrad, ComponentLink3Description=https://datasheet.ciiva.com/6075/485442-6075305.pdf?src-supplier=Farnell, ComponentLink3URL=https://datasheet.ciiva.com/6075/485442-6075305.pdf?src-supplier=Farnell, ComponentLink4Description=https://datasheet.ciiva.com/9187/aoa0000ce26-9187305.pdf?src-supplier=Avnet, ComponentLink4URL=https://datasheet.ciiva.com/9187/aoa0000ce26-9187305.pdf?src-supplier=Avnet, ComponentLink5Description=https://datasheet.ciiva.com/6075/485442-6075306.pdf?src-supplier=Farnell, ComponentLink5URL=https://datasheet.ciiva.com/6075/485442-6075306.pdf?src-supplier=Farnell, ComponentLink6Description=https://datasheet.ciiva.com/6075/485442-6075307.pdf?src-supplier=Farnell, ComponentLink6URL=https://datasheet.ciiva.com/6075/485442-6075307.pdf?src-supplier=Farnell, Composition="Metal Film,Thin Film", Contact Plating=Tin, Depth=1.25mm, Description 1="RES SMD 84.5 OHM 0.1% 1/8W 0805", Features="Automotive AEC-Q200", Height=0.5mm, Lead Free="Lead Free", Length=2mm, Manufacturer Part Number 1=ERA-6AEB84R5V, Mount="Surface Mount", Number of Pins=2, Number of Terminations=2, Packaging="Tape and Reel", Power Rating=125mW, Radiation Hardening=No, RoHS=Yes, Stock 1=6145, Supplier 1=Mouser, Termination=SMD/SMT, Voltage Rating (DC)=100V, Width=1.25mm
R13 R16: library part ERA-6AED102V, "Res Thin Film 0805 1K Ohm 0.5% 1/8W ±25ppm/°C Molded SMD SMD Punched Carrier T/R", Case Code (Imperial)=0805, Case Code (Metric)=2012, Manufacturer 1=Panasonic, Max Operating Temperature=155°C, Min Operating Temperature=-55°C, Package Quantity=5000, Power Rating=125mW, Resistance=1kR, Supplier Part Number 1=667-ERA-6AED102V, Temperature Coefficient=25ppm/°C, Tolerance=0.5%, Voltage Rating=100V, Case/Package=0805, Category 1="Chip SMD Resistors", ComponentLink1Description=https://datasheet.ciiva.com/9198/aoa0000ce26-9198987.pdf?src-supplier=Avnet, ComponentLink1URL=https://datasheet.ciiva.com/9198/aoa0000ce26-9198987.pdf?src-supplier=Avnet, Composition="Thin Film", Contact Plating=Tin, Depth=1.25mm, Description 1="Res Thin Film 0805 1K Ohm 0.5% 1/8W ±25ppm/°C Molded SMD SMD Punched Carrier T/R", Height=0.5mm, Lead Free="Lead Free", Length=2mm, Manufacturer Part Number 1=ERA-6AED102V, Military Standard=Not, Mount="Surface Mount", Packaging="Tape and Reel", RoHS=Yes, Stock 1=18492, Supplier 1=Mouser, Width=1.25mm
R15: library part ERJ-6GEY0R00V, "RES SMD 0 OHM JUMPER 1/8W 0805", Case Code (Imperial)=0805, Case Code (Metric)=2012, Current Rating=2A, Manufacturer 1=Panasonic, Max Operating Temperature=155°C, Max Power Dissipation=125mW, Min Operating Temperature=-55°C, Package Quantity=1, Resistance=0mR, Supplier Part Number 1=667-ERJ-6GEY0R00V, Temperature Coefficient=600ppm/°C, Tolerance=5%, Voltage Rating=150V, Case/Package=0805, Category 1="Chip SMD Resistors", ComponentLink1Description=https://datasheet.ciiva.com/36526/1989607-36526237.pdf?src-supplier=Jameco, ComponentLink1URL=https://datasheet.ciiva.com/36526/1989607-36526237.pdf?src-supplier=Jameco, ComponentLink2Description=https://datasheet.ciiva.com/11821/0900766b80f806dd-11821735.pdf?src-supplier=RSComponents, ComponentLink2URL=https://datasheet.ciiva.com/11821/0900766b80f806dd-11821735.pdf?src-supplier=RSComponents, ComponentLink3Description=https://datasheet.ciiva.com/43460/1678796-43460073.pdf?src-supplier=Farnell, ComponentLink3URL=https://datasheet.ciiva.com/43460/1678796-43460073.pdf?src-supplier=Farnell, ComponentLink4Description=https://datasheet.ciiva.com/9117/aoa0000ce1-9117354.pdf?src-supplier=Avnet, ComponentLink4URL=https://datasheet.ciiva.com/9117/aoa0000ce1-9117354.pdf?src-supplier=Avnet, ComponentLink5Description=https://datasheet.ciiva.com/28695/1678796-28695877.pdf?src-supplier=Element14, ComponentLink5URL=https://datasheet.ciiva.com/28695/1678796-28695877.pdf?src-supplier=Element14, ComponentLink6Description=https://datasheet.ciiva.com/46377/1678796-46377866.pdf?src-supplier=Element14, ComponentLink6URL=https://datasheet.ciiva.com/46377/1678796-46377866.pdf?src-supplier=Element14, ComponentLink7Description=https://datasheet.ciiva.com/17215/aoa0000ce1-17215390.pdf?src-supplier=Avnet+Europe, ComponentLink7URL=https://datasheet.ciiva.com/17215/aoa0000ce1-17215390.pdf?src-supplier=Avnet+Europe, ComponentLink8Description=https://datasheet.ciiva.com/16512/aoa0000ce1-16512111.pdf?src-supplier=Avnet+Asia, ComponentLink8URL=https://datasheet.ciiva.com/16512/aoa0000ce1-16512111.pdf?src-supplier=Avnet+Asia, Composition="Thick Film", Contact Plating=Tin, Depth=1.25mm, Description 1="RES SMD 0 OHM JUMPER 1/8W 0805", Features="Automotive AEC-Q200", Height=0.6mm, Lead Free="Lead Free", Length=2mm, Manufacturer Part Number 1=ERJ-6GEY0R00V, Military Standard=Not, Mount="Surface Mount", Number of Terminations=2, Packaging="Tape and Reel", Power Rating=125mW, Radiation Hardening=No, REACH SVHC="No SVHC", RoHS=Yes, Stock 1=960895, Supplier 1=Mouser, Termination=SMD/SMT, Voltage Rating (DC)=150V, Width=1.25mm
R19 R20: library part ERJ-6ENF1003V, "RES SMD 100K OHM 1% 1/8W 0805", Case Code (Imperial)=0805, Case Code (Metric)=2012, Manufacturer 1=Panasonic, Max Operating Temperature=155°C, Max Power Dissipation=125mW, Min Operating Temperature=-55°C, Package Quantity=1, Resistance=100kR, Supplier Part Number 1=667-ERJ-6ENF1003V, Temperature Coefficient=100ppm/°C, Tolerance=1%, Voltage Rating=150V, Case/Package=0805, Category 1="Chip SMD Resistors", ComponentLink1Description=https://datasheet.ciiva.com/11821/0900766b80f80784-11821507.pdf?src-supplier=RSComponents, ComponentLink1URL=https://datasheet.ciiva.com/11821/0900766b80f80784-11821507.pdf?src-supplier=RSComponents, ComponentLink2Description=https://datasheet.ciiva.com/27055/1988989-27055734.pdf?src-supplier=Jameco, ComponentLink2URL=https://datasheet.ciiva.com/27055/1988989-27055734.pdf?src-supplier=Jameco, ComponentLink3Description=https://datasheet.ciiva.com/17208/aoa0000ce2-17208153.pdf?src-supplier=Avnet+Europe, ComponentLink3URL=https://datasheet.ciiva.com/17208/aoa0000ce2-17208153.pdf?src-supplier=Avnet+Europe, ComponentLink4Description=https://datasheet.ciiva.com/24023/aoa0000ce2-24023497.pdf?src-supplier=Mouser, ComponentLink4URL=https://datasheet.ciiva.com/24023/aoa0000ce2-24023497.pdf?src-supplier=Mouser, ComponentLink5Description=https://datasheet.ciiva.com/7830/426256-7830746.pdf?src-supplier=Element14, ComponentLink5URL=https://datasheet.ciiva.com/7830/426256-7830746.pdf?src-supplier=Element14, ComponentLink6Description=https://datasheet.ciiva.com/16788/70260748-16788734.pdf?src-supplier=Allied+Electronics, ComponentLink6URL=https://datasheet.ciiva.com/16788/70260748-16788734.pdf?src-supplier=Allied+Electronics, ComponentLink7Description=https://datasheet.ciiva.com/48531/aoa0000ce2-48531486.pdf?src-supplier=Avnet, ComponentLink7URL=https://datasheet.ciiva.com/48531/aoa0000ce2-48531486.pdf?src-supplier=Avnet, ComponentLink8Description=https://datasheet.ciiva.com/22723/426256-22723909.pdf?src-supplier=Element14, ComponentLink8URL=https://datasheet.ciiva.com/22723/426256-22723909.pdf?src-supplier=Element14, ComponentLink9Description=https://datasheet.ciiva.com/46419/1678782-46419877.pdf?src-supplier=Element14, ComponentLink9URL=https://datasheet.ciiva.com/46419/1678782-46419877.pdf?src-supplier=Element14, ComponentLink10Description=https://datasheet.ciiva.com/16449/aoa0000ce2-16449480.pdf?src-supplier=Future+Electronics, ComponentLink10URL=https://datasheet.ciiva.com/16449/aoa0000ce2-16449480.pdf?src-supplier=Future+Electronics, ComponentLink11Description=https://datasheet.ciiva.com/22667/1678782-22667897.pdf?src-supplier=Element14, ComponentLink11URL=https://datasheet.ciiva.com/22667/1678782-22667897.pdf?src-supplier=Element14, ComponentLink12Description=https://datasheet.ciiva.com/30257/aoa0000ce2-30257690.pdf?src-supplier=Onlinecomponents.com, ComponentLink12URL=https://datasheet.ciiva.com/30257/aoa0000ce2-30257690.pdf?src-supplier=Onlinecomponents.com, ComponentLink13Description=https://datasheet.ciiva.com/7830/426256-7830988.pdf?src-supplier=Element14, ComponentLink13URL=https://datasheet.ciiva.com/7830/426256-7830988.pdf?src-supplier=Element14, ComponentLink14Description=https://datasheet.ciiva.com/16776/70260748-16776892.pdf?src-supplier=Allied+Electronics, ComponentLink14URL=https://datasheet.ciiva.com/16776/70260748-16776892.pdf?src-supplier=Allied+Electronics, Composition="Thick Film", Contact Plating=Tin, Depth=1.25mm, Description 1="RES SMD 100K OHM 1% 1/8W 0805", Features="Automotive AEC-Q200", Height=0.6mm, Lead Free="Lead Free", Length=2mm, Manufacturer Part Number 1=ERJ-6ENF1003V, Military Standard=Not, Mount="Surface Mount", Number of Pins=2, Number of Terminations=2, Packaging="Tape and Reel", Power Rating=125mW, Radiation Hardening=No, REACH SVHC="No SVHC", RoHS=Yes, Stock 1=298428, Supplier 1=Mouser, Termination=SMD/SMT, Voltage Rating (DC)=150V, Width=0.049inch
U1: library part VCNL4010-GS08, "SENS IR PROXIMITY AMB LT 12LLP", Case/Package=SMD/SMT, Manufacturer 1="Vishay Semiconductors", Max Operating Temperature=85°C, Max Supply Voltage=3.6V, Min Operating Temperature=-25°C, Min Supply Voltage=2.5V, Operating Supply Voltage=3.3V, Package Quantity=1800, Power Dissipation=50mW, Supplier Part Number 1=78-VCNL4010-GS08, Category 1=Sensors, ComponentLink1Description=https://datasheet.ciiva.com/4626/vcnl4010-97030-4626352.pdf?src-supplier=Mouser, ComponentLink1URL=https://datasheet.ciiva.com/4626/vcnl4010-97030-4626352.pdf?src-supplier=Mouser, ComponentLink2Description=https://datasheet.ciiva.com/7617/vcnl4010-7617985.pdf?src-supplier=Element14, ComponentLink2URL=https://datasheet.ciiva.com/7617/vcnl4010-7617985.pdf?src-supplier=Element14, ComponentLink3Description=https://datasheet.ciiva.com/15230/vcnl4010-15230062.pdf?src-supplier=Arrow+Europe, ComponentLink3URL=https://datasheet.ciiva.com/15230/vcnl4010-15230062.pdf?src-supplier=Arrow+Europe, ComponentLink4Description=https://datasheet.ciiva.com/16225/vcnl4010-16225925.pdf?src-supplier=Future+Electronics, ComponentLink4URL=https://datasheet.ciiva.com/16225/vcnl4010-16225925.pdf?src-supplier=Future+Electronics, ComponentLink5Description=https://datasheet.ciiva.com/14650/vcnl4010-14650582.pdf?src-supplier=Element14, ComponentLink5URL=https://datasheet.ciiva.com/14650/vcnl4010-14650582.pdf?src-supplier=Element14, ComponentLink6Description=https://datasheet.ciiva.com/2819/vcnl4010-2819260.pdf?src-supplier=Digi-Key, ComponentLink6URL=https://datasheet.ciiva.com/2819/vcnl4010-2819260.pdf?src-supplier=Digi-Key, ComponentLink7Description=https://datasheet.ciiva.com/2819/vcnl4010-2819261.pdf?src-supplier=Digi-Key, ComponentLink7URL=https://datasheet.ciiva.com/2819/vcnl4010-2819261.pdf?src-supplier=Digi-Key, ComponentLink8Description=https://datasheet.ciiva.com/25912/vcnl4010-25912077.pdf?src-supplier=Avnet+Europe, ComponentLink8URL=https://datasheet.ciiva.com/25912/vcnl4010-25912077.pdf?src-supplier=Avnet+Europe, ComponentLink9Description=https://datasheet.ciiva.com/2819/vcnl4010-2819262.pdf?src-supplier=Digi-Key, ComponentLink9URL=https://datasheet.ciiva.com/2819/vcnl4010-2819262.pdf?src-supplier=Digi-Key, ComponentLink10Description=https://datasheet.ciiva.com/3275/vcnl4010-3275278.pdf?src-supplier=Avnet, ComponentLink10URL=https://datasheet.ciiva.com/3275/vcnl4010-3275278.pdf?src-supplier=Avnet, Description 1="SENS IR PROXIMITY AMB LT 12LLP", Height=0.75mm, Lead Free="Lead Free", Length=3.95mm, Manufacturer Part Number 1=VCNL4010-GS08, Mount="Surface Mount", Number of Channels=1, Number of Pins=13, Output Configuration=Digital, Output Type=I2C,Digital, Packaging="Tape and Reel", Radiation Hardening=No, REACH SVHC=Unknown, RoHS=Yes, Sensing Distance=200mm, Sensing Method=Optical, Stock 1=15561, Supplier 1=Mouser, Wavelength=892nm, Width=3.95mm
U2: library part BME280, "Pressure, Temperature and Humidity Sensor Digital Output 1.8V 8-Pin LGA T/R", Case/Package=LGA, Manufacturer 1=Bosch, Supplier Part Number 1=262-BME280, Category 1="Pressure Sensors", ComponentLink1Description=https://ae-bst.resource.bosch.com/media/_tech/media/product_flyer/BME280_Productflyer_BST_20170109.pdf?src-supplier=Future+Electronics, ComponentLink1URL=https://ae-bst.resource.bosch.com/media/_tech/media/product_flyer/BME280_Productflyer_BST_20170109.pdf?src-supplier=Future+Electronics, ComponentLink2Description=https://ae-bst.resource.bosch.com/media/_tech/media/datasheets/BST-BME280-DS002.pdf?src-supplier=Digi-Key, ComponentLink2URL=https://ae-bst.resource.bosch.com/media/_tech/media/datasheets/BST-BME280-DS002.pdf?src-supplier=Digi-Key, ComponentLink3Description=https://ae-bst.resource.bosch.com/media/_tech/media/product_flyer/BME280_Productflyer_BST_20170109.pdf?src-supplier=Arrow, ComponentLink3URL=https://ae-bst.resource.bosch.com/media/_tech/media/product_flyer/BME280_Productflyer_BST_20170109.pdf?src-supplier=Arrow, ComponentLink4Description=https://ae-bst.resource.bosch.com/media/_tech/media/product_flyer/BME280_Productflyer_BST_20170109.pdf?src-supplier=Mouser, ComponentLink4URL=https://ae-bst.resource.bosch.com/media/_tech/media/product_flyer/BME280_Productflyer_BST_20170109.pdf?src-supplier=Mouser, ComponentLink5Description=https://ae-bst.resource.bosch.com/media/_tech/media/product_flyer/BME280_Productflyer_BST_20170109.pdf?src-supplier=Rutronik, ComponentLink5URL=https://ae-bst.resource.bosch.com/media/_tech/media/product_flyer/BME280_Productflyer_BST_20170109.pdf?src-supplier=Rutronik, ComponentLink6Description=https://ae-bst.resource.bosch.com/media/_tech/media/product_flyer/BME280_Productflyer_BST_20170109.pdf?src-supplier=NAC+Semi, ComponentLink6URL=https://ae-bst.resource.bosch.com/media/_tech/media/product_flyer/BME280_Productflyer_BST_20170109.pdf?src-supplier=NAC+Semi, Description 1="Pressure, Temperature and Humidity Sensor Digital Output 1.8V 8-Pin LGA T/R", Lead Free="Lead Free", Manufacturer Part Number 1=BME280, Number of Pins=8, RoHS=No, Stock 1=22089, Supplier 1=Mouser
U3: "SHUT HEIGHT GAGE(119.5MM)", Manufacturer 1="SGX Sensortech", Supplier Part Number 1=2925869, Description 1="SHUT HEIGHT GAGE(119.5MM)", Manufacturer Part Number 1=MICS-6814, Pricing 1="1=15.34000, 5=14.06000, 10=12.78000, 25=11.83000 (GBP)", RoHS=No, Supplier 1=Farnell
U4: library part ADS1115IDGSR, "IC ADC 16BIT 860SPS LP 10MSOP", Case/Package=VSSOP, Manufacturer 1="Texas Instruments", Max Operating Temperature=125°C, Max Supply Voltage=5.5V, Min Operating Temperature=-40°C, Min Supply Voltage=2V, Package Quantity=2500, Power Dissipation=900uW, Supplier Part Number 1=595-ADS1115IDGSR, Category 1="Analog to Digital Converters (ADCs)", ComponentLink1Description=https://datasheet.ciiva.com/4031/47725463s8438921n7713-4031028.pdf?src-supplier=Arrow, ComponentLink1URL=https://datasheet.ciiva.com/4031/47725463s8438921n7713-4031028.pdf?src-supplier=Arrow, ComponentLink2Description=https://datasheet.ciiva.com/25993/sbas444b-25993205.pdf?src-supplier=Avnet+Europe, ComponentLink2URL=https://datasheet.ciiva.com/25993/sbas444b-25993205.pdf?src-supplier=Avnet+Europe, ComponentLink3Description=https://datasheet.ciiva.com/1304/ads1113-1304266.pdf?src-supplier=Digi-Key, ComponentLink3URL=https://datasheet.ciiva.com/1304/ads1113-1304266.pdf?src-supplier=Digi-Key, Contact Plating=Gold, Conversion Rate=0.86KS/s, Description 1="IC ADC 16BIT 860SPS LP 10MSOP", Integral Nonlinearity (INL)=1LSB, Interface=I2C, Lead Free="Lead Free", Manufacturer Part Number 1=ADS1115IDGSR, Max Supply Voltage (DC)=5.5V, Min Supply Voltage (DC)=2V, Number of A/D Converters=1, Number of Bits=16, Number of Converters=1, Number of Inputs=4, Number of Pins=10, Packaging="Tape and Reel", Polarity=Bipolar, Radiation Hardening=No, REACH SVHC="No SVHC", Resolution=16b, RoHS=Yes, Sampling Rate=860S/s, Stock 1=14706, Supplier 1=Mouser, Supply Type=Single